# Allegro board RK3588_Template_LP4XD200P232SD10_32R6X52R0_2133MHz_H0R80_V10_20230220.brd (continued)
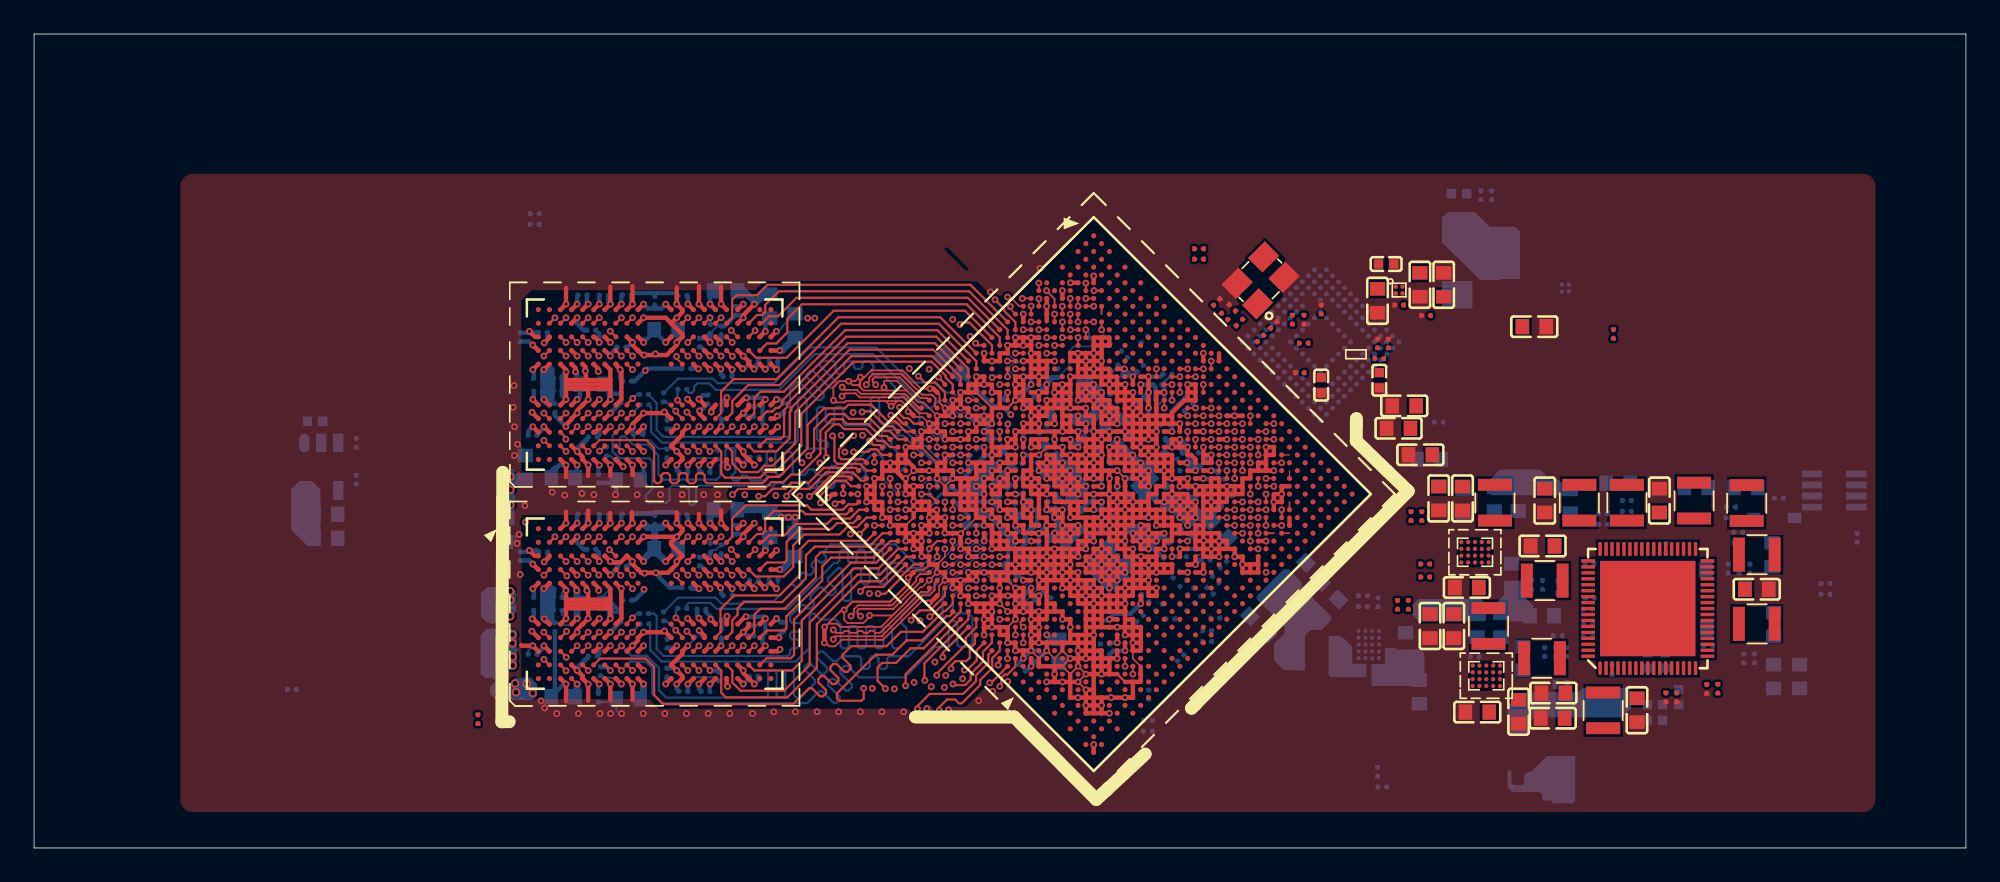
[diagram p0: board, top side]
## Footprints (pads in the part's own frame, mm; a bottom-side part is the same pattern mirrored in y, then rotated) (continued)
DFN1006-2L
  rect 0.3x0.55 smd: 1(-0.35,0) 2(0.35,0)
IND_252012
  rect 0.7x2 smd: 1(-1.05,0) 2(1.05,0)
QFN68_7R00X7R00X0R80_T
  oval 0.8x0.2 smd: 1(-3.5,2.8)
  rect 0.8x0.2 smd: 2(-3.5,2.45) 3(-3.5,2.1) 4(-3.5,1.75) 5(-3.5,1.4) 6(-3.5,1.05) 7(-3.5,0.7) 8(-3.5,0.35) 9(-3.5,0) 10(-3.5,-0.35) 11(-3.5,-0.7) 12(-3.5,-1.05) 13(-3.5,-1.4) 14(-3.5,-1.75) 15(-3.5,-2.1) 16(-3.5,-2.45) 17(-3.5,-2.8) 35(3.5,-2.8) 36(3.5,-2.45) 37(3.5,-2.1) 38(3.5,-1.75) 39(3.5,-1.4) 40(3.5,-1.05) 41(3.5,-0.7) 42(3.5,-0.35) 43(3.5,0) 44(3.5,0.35) 45(3.5,0.7) 46(3.5,1.05) 47(3.5,1.4) 48(3.5,1.75) 49(3.5,2.1) 50(3.5,2.45) 51(3.5,2.8)
  rect 0.2x0.8 smd: 18(-2.8,-3.5) 19(-2.45,-3.5) 20(-2.1,-3.5) 21(-1.75,-3.5) 22(-1.4,-3.5) 23(-1.05,-3.5) 24(-0.7,-3.5) 25(-0.35,-3.5) 26(0,-3.5) 27(0.35,-3.5) 28(0.7,-3.5) 29(1.05,-3.5) 30(1.4,-3.5) 31(1.75,-3.5) 32(2.1,-3.5) 33(2.45,-3.5) 34(2.8,-3.5) 52(2.8,3.5) 53(2.45,3.5) 54(2.1,3.5) 55(1.75,3.5) 56(1.4,3.5) 57(1.05,3.5) 58(0.7,3.5) 59(0.35,3.5) 60(0,3.5) 61(-0.35,3.5) 62(-0.7,3.5) 63(-1.05,3.5) 64(-1.4,3.5) 65(-1.75,3.5) 66(-2.1,3.5) 67(-2.45,3.5) 68(-2.8,3.5)
  rect 5.6x5.6 smd: 69(0,0)
R0201
  custom 0.294x0.3 smd: 1(-0.25,0) 2(0.25,0)
SMAF
  rect 1.6x1.8 smd: 1(1.9,0) 2(-1.9,0)
SOD323
  rect 0.8x0.6 smd: 1(-1.2,0) 2(1.2,0)
SOT_23_5
  oval 1.1x0.6 smd: 1(0,0)
  rect 1.1x0.6 smd: 2(0,-1) 3(0,-2) 4(2.8,-2) 5(2.8,0)
SOT_23_8
  rect 0.4x1.2 smd: 1(-0.975,-1.3) 2(-0.325,-1.3) 3(0.325,-1.3) 4(0.975,-1.3) 5(0.975,1.3) 6(0.325,1.3) 7(-0.325,1.3) 8(-0.975,1.3)
WLCSP
  round 0.26 smd: A1(-0.2,0.2) A2(0.2,0.2) B1(-0.2,-0.2) B2(0.2,-0.2)
WLCSP20_1R65X2R05X0R63
  round 0.25 smd: A1(-0.6,0.8) A2(-0.2,0.8) A3(0.2,0.8) A4(0.6,0.8) B1(-0.6,0.4) B2(-0.2,0.4) B3(0.2,0.4) B4(0.6,0.4) C1(-0.6,0) C2(-0.2,0) C3(0.2,0) C4(0.6,0) D1(-0.6,-0.4) D2(-0.2,-0.4) D3(0.2,-0.4) D4(0.6,-0.4) E1(-0.6,-0.8) E2(-0.2,-0.8) E3(0.2,-0.8) E4(0.6,-0.8)

## Nets
GND: C1200.2 C1201.2 C1202.2 C1203.2 C1204.2 C1205.2 C1206.2 C1207.2 C1208.2 C1209.2 C1210.2 C1211.2 C1212.2 C1213.2 C1214.2 C1215.2 C1216.2 C1217.2 C1218.2 C1219.2 C1220.2 C1221.2 C1223.2 C1224.2 C1225.2 C1226.2 C1227.2 C1228.2 C1229.2 C1231.2 C1232.2 C3800.2 C3801.2 C3802.2 C3803.2 C3804.2 C3805.2 C3806.2 C3807.2 C3808.2 C3809.2 C3810.2 C3811.2 C3812.2 C3813.2 C3814.2 C3815.2 C3816.2 C3817.2 C3818.2 C3819.2 C3820.2 C3821.2 C3822.2 C3823.2 C3824.2 C3825.2 C3826.2 C3827.2 C3828.2 C3829.2 C3830.2 C3831.2 C3832.2 C3833.2 C3834.2 C3835.2 C3836.2 C3837.2 C3838.2 C3839.2 C3840.2 C3841.2 C3842.2 C3844.2 C3845.2 C3846.2 C3847.2 C3848.2 C3849.2 C3850.2 C3851.2 C3852.2 C3853.2 C3854.2 C3855.2 C3856.2 C3857.2 C3858.2 C3859.2 C3860.2 C3861.2 C3862.2 C3863.2 C3864.2 C3865.2 C3866.2 C3867.2 C3868.2 C3869.2 C3870.2 C3871.2 C3872.2 C3873.2 C3874.2 C3875.2 C3876.2 C3877.2 C3878.2 C3879.2 C3880.2 C3881.2 C3882.2 C3883.2 C3884.2 C3885.2 C3886.2 C3887.2 C3888.2 C3889.2 C3890.2 C3891.2 C3892.2 C3893.2 C3894.2 C3895.2 C3896.2 C3897.2 C3898.2 C3899.2 C3900.2 C3901.2 C3902.2 C3903.2 C3904.2 C3905.2 C3906.2 C3907.2 C3908.2 C3909.2 C3910.2 C3911.2 C3912.2 C3913.2 C3914.2 C3915.2 C3916.2 C3917.2 C3918.2 C3919.2 C3920.2 C3921.2 C3922.2 C3923.2 C3924.2 C3925.2 C3926.2 C3927.2 C3928.2 C3929.2 C3930.2 C3931.2 C3932.2 C3933.2 C3934.2 C3935.2 C3936.2 C3937.2 C3938.2 C3939.2 C3940.2 C3941.2 C3942.2 C3943.2 C3944.2 C3945.2 C3946.2 C3947.2 C3948.2 C3949.2 C3950.2 C3951.2 C3952.2 C3953.2 C3954.2 C3955.2 C3956.2 C3957.2 C3958.2 C3959.2 C3960.2 C3961.2 C3962.2 C3963.2 C3964.2 C3965.2 C3966.2 C3967.2 C3968.2 C3969.2 C3970.2 C3971.2 C3972.2 C3973.2 C3974.2 C3975.2 C3976.2 C3977.2 C3978.2 C3979.2 C3980.2 C3981.2 C3983.2 C3984.2 C3985.2 C3986.2 C3987.2 C3988.2 C3989.2 C3990.2 C3991.2 C3992.2 C3993.2 C3994.2 C3995.2 C3996.2 C3997.2 C3998.2 C3999.2 C4000.2 C4001.2 C4002.2 C4003.2 C4004.2 C4005.2 C4006.2 C4007.2 C4008.2 C4034.2 C4035.2 C4036.2 C4040.2 C4042.2 C4045.2 C4046.2 C4047.2 C4055.2 C4056.2 C4057.2 C4058.2 C4066.2 C4067.2 C4068.2 C4069.2 C4075.2 C4076.2 C4077.2 C4078.2 C4081.2 C4082.2 C4083.2 C4084.2 C4085.2 C4086.2 C4087.2 C4088.2 C4089.2 C4090.2 C4091.2 C4092.2 C4093.2 C4094.2 C4095.2 C4096.2 C4097.2 C4098.2 C4099.2 C4100.2 C4101.2 C4102.2 C4103.2 C4104.2 C4109.2 C4110.2 C4115.2 C4116.2 C4119.2 C4120.2 C4121.2 C4123.2 C4124.2 C4126.2 C4130.2 C4131.2 C4132.2 C4133.2 C4134.2 C4135.2 C4141.2 C4142.2 C4143.2 C4144.2 C4145.2 C4147.2 C4148.2 C4149.2 C4150.2 C4289.2 D1.1(ANODE) ED4.2 R3833.2 R3834.2 R3835.2 R3844.2 R3883.2 R3886.2 R3888.2 R3893.1 R3897.2 R3902.2 R3905.2 R3906.2 R3908.2 U27.5(GND) U1000.A1(VSS_1) U1000.A11(VSS_2) U1000.A14(VSS_3) U1000.A34(VSS_4) U1000.AA3(VSS_248) U1000.AA6(VSS_249) U1000.AA8(AVSS_15) U1000.AA10(AVSS_16) U1000.AA11(VSS_250) U1000.AA16(VSS_251) U1000.AA17(VSS_252) U1000.AA18(VSS_253) U1000.AA19(VSS_254) U1000.AA20(VSS_255) U1000.AA21(VSS_256) U1000.AA22(VSS_257) U1000.AA23(VSS_258) U1000.AA24(VSS_259) U1000.AA31(VSS_260) U1000.AB3(VSS_261) U1000.AB5(VSS_262) U1000.AB6(AVSS_17) U1000.AB7(AVSS_18) U1000.AB8(AVSS_19) U1000.AB10(AVSS_20) U1000.AB11(VSS_263) U1000.AB16(VSS_264) U1000.AB17(VSS_265) U1000.AB18(VSS_266) U1000.AB19(VSS_267) U1000.AB20(VSS_268) U1000.AB24(VSS_269) U1000.AB27(VSS_270) U1000.AB29(VSS_271) U1000.AB32(VSS_272) U1000.AC3(VSS_273) U1000.AC4(VSS_274) U1000.AC5(AVSS_21) U1000.AC8(AVSS_22) U1000.AC10(AVSS_23) U1000.AC11(VSS_275) U1000.AC12(VSS_276) U1000.AC16(VSS_277) U1000.AC20(VSS_278) U1000.AC21(VSS_279) U1000.AC24(VSS_280) U1000.AC27(VSS_281) U1000.AD5(AVSS_24) U1000.AD8(AVSS_25) U1000.AD10(AVSS_26) U1000.AD11(VSS_282) U1000.AD12(VSS_283) U1000.AD16(VSS_284) U1000.AD20(VSS_285) U1000.AD21(VSS_286) U1000.AD24(VSS_287) U1000.AD25(VSS_288) U1000.AD26(VSS_289) U1000.AE3(VSS_290) U1000.AE6(AVSS_27) U1000.AE7(AVSS_28) U1000.AE9(AVSS_29) U1000.AE11(VSS_291) U1000.AE12(VSS_292) U1000.AE13(VSS_293) U1000.AE14(VSS_294) U1000.AE15(VSS_295) U1000.AE16(VSS_296) U1000.AE18(VSS_297) U1000.AE19(VSS_298) U1000.AE20(VSS_299) U1000.AE21(VSS_300) U1000.AE24(VSS_301) U1000.AE26(VSS_302) U1000.AF4(AVSS_30) U1000.AF7(AVSS_31) U1000.AF8(AVSS_32) U1000.AF11(AVSS_33) U1000.AF12(AVSS_34) U1000.AF13(AVSS_35) U1000.AF14(AVSS_36) U1000.AF15(AVSS_37) U1000.AF16(AVSS_38) U1000.AF21(AVSS_39) U1000.AF22(VSS_303) U1000.AF24(VSS_304) U1000.AF25(VSS_305) U1000.AF27(VSS_306) U1000.AF28(VSS_307) U1000.AF29(VSS_308) U1000.AF30(VSS_309) U1000.AF31(VSS_310) U1000.AF32(VSS_311) U1000.AG3(AVSS_40) U1000.AG6(AVSS_41) U1000.AG7(AVSS_42) U1000.AG10(AVSS_43) U1000.AG12(AVSS_44) U1000.AG15(AVSS_45) U1000.AG18(AVSS_46) U1000.AG21(AVSS_47) U1000.AG22(AVSS_48) U1000.AG30(VSS_312) U1000.AH4(AVSS_49) U1000.AH8(AVSS_50) U1000.AH11(AVSS_51) U1000.AH12(AVSS_52) U1000.AH15(AVSS_53) U1000.AH21(AVSS_54) U1000.AH22(AVSS_55) U1000.AH23(AVSS_56) U1000.AJ3(AVSS_57) U1000.AJ7(AVSS_58) U1000.AJ8(AVSS_59) U1000.AJ9(AVSS_60) U1000.AJ11(AVSS_61) U1000.AJ12(AVSS_62) U1000.AJ15(AVSS_63) U1000.AJ16(AVSS_64) U1000.AJ18(AVSS_65) U1000.AJ21(AVSS_66) U1000.AJ22(AVSS_67) U1000.AJ23(AVSS_68) U1000.AJ30(VSS_313) U1000.AK4(AVSS_69) U1000.AK5(AVSS_70) U1000.AK7(AVSS_71) U1000.AK10(AVSS_72) U1000.AK11(AVSS_73) U1000.AK12(AVSS_74) U1000.AK13(AVSS_75) U1000.AK14(AVSS_76) U1000.AK23(AVSS_77) U1000.AK28(VSS_314) U1000.AK29(VSS_315) U1000.AL3(AVSS_78) U1000.AL4(AVSS_79) U1000.AL5(AVSS_80) U1000.AL11(AVSS_81) U1000.AL13(AVSS_82) U1000.AL23(AVSS_83) U1000.AL25(VSS_316) U1000.AM4(AVSS_84) U1000.AM8(AVSS_85) U1000.AM9(AVSS_86) U1000.AM18(AVSS_87) U1000.AM20(AVSS_88) U1000.AM22(AVSS_89) U1000.AM23(AVSS_90) U1000.AM24(AVSS_91) U1000.AM26(AVSS_92) U1000.AM28(AVSS_93) U1000.AM30(VSS_317) U1000.AN7(AVSS_94) U1000.AN12(AVSS_95) U1000.AN23(AVSS_96) U1000.AN31(AVSS_97) U1000.AP1(AVSS_98) U1000.AP17(AVSS_99) U1000.AP23(AVSS_100) U1000.AP34(AVSS_101) U1000.B6(VSS_5) U1000.B19(VSS_6) U1000.B24(VSS_7) U1000.B27(VSS_8) U1000.B33(VSS_9) U1000.C3(VSS_10) U1000.C4(VSS_11) U1000.C5(VSS_12) U1000.C6(VSS_13) U1000.C7(VSS_14) U1000.C8(VSS_15) U1000.C9(VSS_16) U1000.C10(VSS_17) U1000.C11(VSS_18) U1000.C12(VSS_19) U1000.C13(VSS_20) U1000.C14(VSS_21) U1000.C15(VSS_22) U1000.C16(VSS_23) U1000.C17(VSS_24) U1000.C18(VSS_25) U1000.C20(VSS_26) U1000.C21(VSS_27) U1000.C22(VSS_28) U1000.C23(VSS_29) U1000.C26(VSS_30) U1000.C28(VSS_31) U1000.C30(VSS_32) U1000.C32(VSS_33) U1000.D3(VSS_34) U1000.D23(VSS_35) U1000.D24(VSS_36) U1000.D31(VSS_37) U1000.E3(VSS_38) U1000.E6(VSS_39) U1000.E8(VSS_40) U1000.E12(VSS_41) U1000.E18(VSS_42) U1000.E20(VSS_43) U1000.E22(VSS_44) U1000.E23(VSS_45) U1000.E32(VSS_46) U1000.F3(VSS_47) U1000.F7(VSS_48) U1000.F9(VSS_49) U1000.F10(VSS_50) U1000.F11(VSS_51) U1000.F13(VSS_52) U1000.F14(VSS_53) U1000.F15(VSS_54) U1000.F16(VSS_55) U1000.F19(VSS_56) U1000.F20(VSS_57) U1000.F21(VSS_58) U1000.F22(VSS_59) U1000.F23(VSS_60) U1000.F31(VSS_61) U1000.G3(VSS_62) U1000.G6(VSS_63) U1000.G10(VSS_64) U1000.G15(VSS_65) U1000.G19(VSS_66) U1000.G21(VSS_67) U1000.G22(VSS_68) U1000.G25(VSS_69) U1000.G32(VSS_70) U1000.H3(VSS_71) U1000.H6(VSS_72) U1000.H10(VSS_73) U1000.H12(VSS_74) U1000.H14(VSS_75) U1000.H19(VSS_76) U1000.H22(VSS_77) U1000.H25(VSS_78) U1000.H26(VSS_79) U1000.H28(AVSS_1) U1000.H31(AVSS_2) U1000.J3(VSS_80) U1000.J4(VSS_81) U1000.J5(VSS_82) U1000.J6(VSS_83) U1000.J10(VSS_84) U1000.J11(VSS_85) U1000.J12(VSS_86) U1000.J13(VSS_87) U1000.J14(VSS_88) U1000.J15(VSS_89) U1000.J16(VSS_90) U1000.J18(VSS_91) U1000.J19(VSS_92) U1000.J20(VSS_93) U1000.J21(VSS_94) U1000.J22(VSS_95) U1000.J23(VSS_96) U1000.J24(VSS_97) U1000.J25(VSS_98) U1000.J27(AVSS_3) U1000.J28(AVSS_4) U1000.J29(AVSS_5) U1000.J32(AVSS_6) U1000.K3(VSS_99) U1000.K6(VSS_100) U1000.K8(VSS_101) U1000.K9(VSS_102) U1000.K18(VSS_103) U1000.K21(VSS_104) U1000.K22(VSS_105) U1000.K26(AVSS_7) U1000.K31(AVSS_8) U1000.K32(AVSS_9) U1000.L1(VSS_106) U1000.L3(VSS_107) U1000.L6(VSS_108) U1000.L9(VSS_109) U1000.L16(DDR_CH1_PLL_AVSS) U1000.L19(VSS_110) U1000.L20(VSS_111) U1000.L21(VSS_112) U1000.L22(VSS_113) U1000.L25(VSS_114) U1000.L26(AVSS_10) U1000.L31(AVSS_11) U1000.M3(VSS_115) U1000.M6(VSS_116) U1000.M9(VSS_117) U1000.M11(DDR_CH0_PLL_AVSS) U1000.M14(VSS_118) U1000.M15(VSS_119) U1000.M18(VSS_120) U1000.M20(VSS_121) U1000.M22(VSS_122) U1000.M25(VSS_123) U1000.M26(AVSS_12) U1000.M29(TVSS) U1000.M32(AVSS_13) U1000.N3(VSS_124) U1000.N6(VSS_125) U1000.N9(VSS_126) U1000.N11(VSS_127) U1000.N14(VSS_128) U1000.N15(VSS_129) U1000.N18(VSS_130) U1000.N20(VSS_131) U1000.N22(VSS_132) U1000.N25(VSS_133) U1000.N26(VSS_134) U1000.N29(VSS_135) U1000.N32(AVSS_14) U1000.P1(VSS_136) U1000.P3(VSS_137) U1000.P6(VSS_138) U1000.P8(VSS_139) U1000.P9(VSS_140) U1000.P11(VSS_141) U1000.P14(VSS_142) U1000.P15(VSS_143) U1000.P18(VSS_144) U1000.P19(VSS_145) U1000.P20(VSS_146) U1000.P21(VSS_147) U1000.P22(VSS_148) U1000.P25(VSS_149) U1000.P26(VSS_150) U1000.P34(VSS_151) U1000.R3(VSS_152) U1000.R5(VSS_153) U1000.R8(VSS_154) U1000.R9(VSS_155) U1000.R11(VSS_156) U1000.R13(VSS_157) U1000.R15(VSS_158) U1000.R18(VSS_159) U1000.R19(VSS_160) U1000.R20(VSS_161) U1000.R21(VSS_162) U1000.R22(VSS_163) U1000.R23(VSS_164) U1000.R24(VSS_165) U1000.R25(VSS_166) U1000.R26(VSS_167) U1000.R28(VSS_168) U1000.R33(VSS_169) U1000.T3(VSS_170) U1000.T6(VSS_171) U1000.T9(VSS_172) U1000.T11(VSS_173) U1000.T13(VSS_174) U1000.T15(VSS_175) U1000.T18(VSS_176) U1000.T19(VSS_177) U1000.T20(VSS_178) U1000.T23(VSS_179) U1000.T24(VSS_180) U1000.T25(VSS_181) U1000.T26(VSS_182) U1000.T27(VSS_183) U1000.T33(VSS_184) U1000.U3(VSS_185) U1000.U12(VSS_186) U1000.U13(VSS_187) U1000.U15(VSS_188) U1000.U16(VSS_189) U1000.U17(VSS_190) U1000.U19(PLL_AVSS) U1000.U20(VSS_191) U1000.U23(VSS_192) U1000.U24(VSS_193) U1000.U30(VSS_194) U1000.U31(VSS_195) U1000.U34(VSS_196) U1000.V3(VSS_197) U1000.V4(VSS_198) U1000.V5(VSS_199) U1000.V8(VSS_200) U1000.V9(VSS_201) U1000.V10(VSS_202) U1000.V11(VSS_203) U1000.V15(VSS_204) U1000.V18(VSS_205) U1000.V19(VSS_206) U1000.V23(VSS_207) U1000.V24(VSS_208) U1000.V25(VSS_209) U1000.V27(VSS_210) U1000.V30(VSS_211) U1000.W2(VSS_212) U1000.W3(VSS_213) U1000.W6(VSS_214) U1000.W7(VSS_215) U1000.W9(VSS_216) U1000.W10(VSS_217) U1000.W11(VSS_218) U1000.W12(VSS_219) U1000.W15(VSS_220) U1000.W16(VSS_221) U1000.W17(VSS_222) U1000.W18(VSS_223) U1000.W19(VSS_224) U1000.W20(VSS_225) U1000.W23(VSS_226) U1000.W24(VSS_227) U1000.W27(VSS_228) U1000.Y3(VSS_229) U1000.Y5(VSS_230) U1000.Y6(VSS_231) U1000.Y8(VSS_232) U1000.Y9(VSS_233) U1000.Y10(VSS_234) U1000.Y11(VSS_235) U1000.Y12(VSS_236) U1000.Y13(VSS_237) U1000.Y14(VSS_238) U1000.Y15(VSS_239) U1000.Y16(VSS_240) U1000.Y17(VSS_241) U1000.Y18(VSS_242) U1000.Y19(VSS_243) U1000.Y20(VSS_244) U1000.Y23(VSS_245) U1000.Y24(VSS_246) U1000.Y28(VSS_247) U3800.A3(VSS_1) U3800.A10(VSS_2) U3800.AB3(VSS_55) U3800.AB5(VSS_56) U3800.AB8(VSS_57) U3800.AB10(VSS_58) U3800.C1(VSS_3) U3800.C5(VSS_4) U3800.C8(VSS_5) U3800.C12(VSS_6) U3800.D2(VSS_7) U3800.D4(VSS_8) U3800.D9(VSS_9) U3800.D11(VSS_10) U3800.E1(VSS_11) U3800.E5(VSS_12) U3800.E8(VSS_13) U3800.E12(VSS_14) U3800.G1(VSS_15) U3800.G3(VSS_16) U3800.G5(VSS_17) U3800.G8(VSS_18) U3800.G10(VSS_19) U3800.G12(VSS_20) U3800.J1(VSS_21) U3800.J3(VSS_22) U3800.J10(VSS_23) U3800.J12(VSS_24) U3800.K2(VSS_25) U3800.K4(VSS_26) U3800.K9(VSS_27) U3800.K11(VSS_28) U3800.N2(VSS_29) U3800.N4(VSS_30) U3800.N9(VSS_31) U3800.N11(VSS_32) U3800.P1(VSS_33) U3800.P3(VSS_34) U3800.P10(VSS_35) U3800.P12(VSS_36) U3800.T1(VSS_37) U3800.T3(VSS_38) U3800.T5(VSS_39) U3800.T8(VSS_40) U3800.T10(VSS_41) U3800.T12(VSS_42) U3800.V1(VSS_43) U3800.V5(VSS_44) U3800.V8(VSS_45) U3800.V12(VSS_46) U3800.W2(VSS_47) U3800.W4(VSS_48) U3800.W9(VSS_49) U3800.W11(VSS_50) U3800.Y1(VSS_51) U3800.Y5(VSS_52) U3800.Y8(VSS_53) U3800.Y12(VSS_54) U3801.A3(VSS_1) U3801.A10(VSS_2) U3801.AB3(VSS_55) U3801.AB5(VSS_56) U3801.AB8(VSS_57) U3801.AB10(VSS_58) U3801.C1(VSS_3) U3801.C5(VSS_4) U3801.C8(VSS_5) U3801.C12(VSS_6) U3801.D2(VSS_7) U3801.D4(VSS_8) U3801.D9(VSS_9) U3801.D11(VSS_10) U3801.E1(VSS_11) U3801.E5(VSS_12) U3801.E8(VSS_13) U3801.E12(VSS_14) U3801.G1(VSS_15) U3801.G3(VSS_16) U3801.G5(VSS_17) U3801.G8(VSS_18) U3801.G10(VSS_19) U3801.G12(VSS_20) U3801.J1(VSS_21) U3801.J3(VSS_22) U3801.J10(VSS_23) U3801.J12(VSS_24) U3801.K2(VSS_25) U3801.K4(VSS_26) U3801.K9(VSS_27) U3801.K11(VSS_28) U3801.N2(VSS_29) U3801.N4(VSS_30) U3801.N9(VSS_31) U3801.N11(VSS_32) U3801.P1(VSS_33) U3801.P3(VSS_34) U3801.P10(VSS_35) U3801.P12(VSS_36) U3801.T1(VSS_37) U3801.T3(VSS_38) U3801.T5(VSS_39) U3801.T8(VSS_40) U3801.T10(VSS_41) U3801.T12(VSS_42) U3801.V1(VSS_43) U3801.V5(VSS_44) U3801.V8(VSS_45) U3801.V12(VSS_46) U3801.W2(VSS_47) U3801.W4(VSS_48) U3801.W9(VSS_49) U3801.W11(VSS_50) U3801.Y1(VSS_51) U3801.Y5(VSS_52) U3801.Y8(VSS_53) U3801.Y12(VSS_54) U3807.69(EPAD) U3808.B2(GND1) U3808.B3(GND2) U3808.B4(AGND) U3808.C1(GND3) U3808.C2(GND4) U3808.C3(GND5) U3808.C4(GND6) U3809.B2(GND1) U3809.B3(GND2) U3809.B4(AGND) U3809.C1(GND3) U3809.C2(GND4) U3809.C3(GND5) U3809.C4(GND6) U3810.B2(GND1) U3810.B3(GND2) U3810.B4(AGND) U3810.C1(GND3) U3810.C2(GND4) U3810.C3(GND5) U3810.C4(GND6) U3813.2(GND) U3815.A6(VSS2) U3815.C4(VSS3) U3815.E7(VSS4) U3815.G5(VSS5) U3815.H10(VSS6) U3815.J5(VSS1) U3815.K8(VSSQ1) U3815.N2(VSSQ2) U3815.N5(VSSQ3) U3815.P4(VSSQ4) U3815.P6(VSSQ5) U3837.B1(GND) U3838.B1(GND) Y1.2(GND#2) Y1.4(GND#4)
VBUS5V0_TYPEC: R3892.1
VCC5V0_EXT: C4135.1 U3813.1(VOUT)
VCC_1V8_S0: C3971.1 C3972.1 C3986.1 C3987.1 C3995.1 C3996.1 C3999.1 C4001.1 C4004.1 C4006.1 C4007.1 C4008.1 C4083.1 R3839.1 R3840.1 R3841.1 R3842.1 R3845.1 R3846.1 R3847.1 R3848.1 R3849.1 R3850.1 R3851.1 R3852.1 R3908.1 U1000.AA7(VCCIO2_1V8) U1000.AA26(MIPI_CSI1_AVCC1V8) U1000.AB26(MIPI_CSI0_AVCC1V8) U1000.AC25(VCCIO6_1V8) U1000.AJ19(MIPI_D/C_PHY1_VDD_1V8) U1000.AJ20(MIPI_D/C_PHY0_VDD_1V8) U1000.G20(VCCIO1_1V8) U1000.H20(VCCIO4_1V8) U1000.H21(VCCIO4) U1000.W25(VCCIO5_1V8) U1000.W26(VCCIO5) U1000.Y7(VCCIO2) U1000.Y26(VCCIO3_1V8) U3807.58(PLDO2) U3838.B2(ON)
VCC_1V8_S3: C3800.1 C3801.1 C3802.1 C3803.1 C3804.1 C3805.1 C3806.1 C3807.1 C3808.1 C3845.1 C3846.1 C3847.1 C3848.1 C3849.1 C3850.1 C3851.1 C3852.1 C3853.1 C3964.1 C3968.1 C3969.1 C3970.1 C4078.1 C4141.1 C4142.1 C4143.1 C4144.1 C4145.1 L11.1 R3825.1 R3826.1 R3827.1 R3828.1 R3890.1 R3891.1 R3917.1 R3918.1 U27.4(OE) U27.8(VCCA) U1000.N28(PMUIO1_1V8) U1000.P28(PMUIO2) U1000.R27(PMUIO2_1V8) U1000.V26(EMMCIO_1V8) U3800.F1(VDD1_1) U3800.F12(VDD1_2) U3800.G4(VDD1_3) U3800.G9(VDD1_4) U3800.T4(VDD1_5) U3800.T9(VDD1_6) U3800.U1(VDD1_7) U3800.U12(VDD1_8) U3801.F1(VDD1_1) U3801.F12(VDD1_2) U3801.G4(VDD1_3) U3801.G9(VDD1_4) U3801.T4(VDD1_5) U3801.T9(VDD1_6) U3801.U1(VDD1_7) U3801.U12(VDD1_8) U3807.25(VOUT10) U3815.C6(VCCQ1) U3815.M4(VCCQ2) U3815.N4(VCCQ3) U3815.P3(VCCQ4) U3815.P5(VCCQ5)
VCC_1V8_S3_PLDO6: C4086.1 U3807.20(VCCIO)
VCC_2V0_PLDO_S3: C4081.1 C4084.1 C4092.1 C4099.1 L12.2 U3807.9(VCC14) U3807.13(VCC13) U3807.41(VOUT7) U3807.59(VCC11)
VCC_3V3_S0: C4005.1 C4132.1 U1000.AC26(VCCIO6) U3838.A1(VOUT)
VCC_3V3_S3: C4069.1 C4131.1 C4147.1 C4148.1 C4149.1 L9.1 R3896.1 U27.1(VCCB) U3807.5(VOUT8) U3815.E6(VCC1) U3815.F5(VCC2) U3815.J10(VCC3) U3815.K9(VCC4) U3838.A2(VIN)
VCC_5V0: C4122.1 C4123.1 C4124.1 C4133.1 C4134.1 D2.2(K) R3899.1 U3813.5(IN)
VCC_5V0_PWREN_H: U1000.AE30(GPIO2_C5_D) U3837.B2(ON)
VCC_SYSIN: C4034.1 C4035.1 C4040.1 C4046.1 C4056.1 C4057.1 C4067.1 C4068.1 C4076.1 C4077.1 C4088.1 C4090.1 C4101.1 C4102.1 C4103.1 C4104.1 C4120.1 C4121.1 ED4.1 U3807.1(VCC9) U3807.7(VCC8) U3807.21(VCCA) U3807.22(VCC4) U3807.27(VCC10) U3807.28(VCC6) U3807.33(VCC2_1) U3807.34(VCC2_2) U3807.43(VCC7) U3807.44(VCC5) U3807.52(VCC1_1) U3807.53(VCC1_2) U3807.54(VCC3) U3807.64(VCC12) U3808.D1(VIN_1) U3808.D2(VIN_2) U3808.E1(VIN_3) U3808.E2(VIN_4) U3809.D1(VIN_1) U3809.D2(VIN_2) U3809.E1(VIN_3) U3809.E2(VIN_4) U3810.D1(VIN_1) U3810.D2(VIN_2) U3810.E1(VIN_3) U3810.E2(VIN_4) U3837.A2(VIN)
VCCA_1V8_S0: C1214.1 C1217.1 C3960.1 C3961.1 C3965.1 C3975.1 C3976.1 C3978.1 C3984.1 C4003.1 C4082.1 R3836.2 R3837.1 R3843.1 R3987.2 R3988.2 U1000.AG11(USB20_AVDD_1V8) U1000.AG14(TYPEC0_DP0_VDDH_1V8) U1000.AH18(SARADC_AVDD_1V8) U1000.K16(DDR_CH1_PLL_AVDD1V8) U1000.L27(PCIE20_SATA30_1_AVDD_1V8) U1000.M12(DDR_CH0_PLL_AVDD1V8) U1000.N27(OSC_1V8) U1000.U18(PLL_AVDD1V8) U3807.60(PLDO1)
VCCA_3V3_S0: C3979.1 C4087.1 U1000.AJ10(USB20_AVDD_3V3) U3807.63(PLDO4)
VCCIO_SD_S0: C4089.1 U3807.65(PLDO5)
VDD2_DDR_S3: C1216.1 C1219.1 C3809.1 C3810.1 C3811.1 C3812.1 C3813.1 C3814.1 C3815.1 C3816.1 C3817.1 C3818.1 C3819.1 C3820.1 C3821.1 C3822.1 C3823.1 C3854.1 C3855.1 C3856.1 C3857.1 C3858.1 C3859.1 C3860.1 C3861.1 C3862.1 C3863.1 C3864.1 C3865.1 C3866.1 C3867.1 C3868.1 C4047.1 C4050.1 L5.1 R3806.1 R3807.2 R3811.2 R3816.1 R3817.2 R3881.1 U1000.H13(DDR_CH1_VDDQ_CKE) U1000.N8(DDR_CH0_VDDQ_CKE) U3800.A4(VDD2_1) U3800.A9(VDD2_2) U3800.AB4(VDD2_23) U3800.AB9(VDD2_24) U3800.F5(VDD2_3) U3800.F8(VDD2_4) U3800.H1(VDD2_5) U3800.H5(VDD2_6) U3800.H8(VDD2_7) U3800.H12(VDD2_8) U3800.K1(VDD2_9) U3800.K3(VDD2_10) U3800.K10(VDD2_11) U3800.K12(VDD2_12) U3800.N1(VDD2_13) U3800.N3(VDD2_14) U3800.N10(VDD2_15) U3800.N12(VDD2_16) U3800.R1(VDD2_17) U3800.R5(VDD2_18) U3800.R8(VDD2_19) U3800.R12(VDD2_20) U3800.U5(VDD2_21) U3800.U8(VDD2_22) U3801.A4(VDD2_1) U3801.A9(VDD2_2) U3801.AB4(VDD2_23) U3801.AB9(VDD2_24) U3801.F5(VDD2_3) U3801.F8(VDD2_4) U3801.H1(VDD2_5) U3801.H5(VDD2_6) U3801.H8(VDD2_7) U3801.H12(VDD2_8) U3801.K1(VDD2_9) U3801.K3(VDD2_10) U3801.K10(VDD2_11) U3801.K12(VDD2_12) U3801.N1(VDD2_13) U3801.N3(VDD2_14) U3801.N10(VDD2_15) U3801.N12(VDD2_16) U3801.R1(VDD2_17) U3801.R5(VDD2_18) U3801.R8(VDD2_19) U3801.R12(VDD2_20) U3801.U5(VDD2_21) U3801.U8(VDD2_22) U3807.30(VOUT6)
VDD_0V75_S0: C3962.1 C3963.1 C3985.1 C3990.1 C3991.1 C3992.1 C3997.1 C3998.1 C4000.1 C4100.1 U1000.AA25(MIPI_CSI1_AVCC0V75) U1000.AB25(MIPI_CSI0_AVCC0V75) U1000.AD3(OTP_VDDOTP_0V75) U1000.AG19(MIPI_D/C_PHY1_VDD) U1000.AG20(MIPI_D/C_PHY0_VDD) U1000.V20(PLL_DVDD0V75) U3807.8(NLDO5)
VDD_0V75_S3: C3966.1 C3967.1 C4091.1 U1000.P27(PMU_0V75) U3807.14(NLDO1)
VDD_CPU_BIG0_S0: C3898.1 C3899.1 C3900.1 C3901.1 C3902.1 C3903.1 C3904.1 C3905.1 C3906.1 C3908.1 C3909.1 C4105.1 C4105.2 C4109.1 C4110.1 L13.2 R3894.1 R3894.2 U1000.M16(VDD_CPU_BIG0_0) U1000.M17(VDD_CPU_BIG0_9) U1000.M19(VDD_CPU_BIG0_MEM_0) U1000.N16(VDD_CPU_BIG0_1) U1000.N17(VDD_CPU_BIG0_8) U1000.N19(VDD_CPU_BIG0_MEM_1) U1000.P16(VDD_CPU_BIG0_2) U1000.P17(VDD_CPU_BIG0_7) U1000.R16(VDD_CPU_BIG0_3) U1000.R17(VDD_CPU_BIG0_6) U1000.T16(VDD_CPU_BIG0_4) U1000.T17(VDD_CPU_BIG0_5) U3808.A4(VOUT)
VDD_CPU_BIG1_S0: C3910.1 C3911.1 C3912.1 C3913.1 C3914.1 C3915.1 C3916.1 C3917.1 C3918.1 C3919.1 C3931.1 C3932.1 C4111.1 C4111.2 C4115.1 C4116.1 L14.2 R3895.1 R3895.2 U1000.K23(VDD_CPU_BIG1_9) U1000.K24(VDD_CPU_BIG1_0) U1000.L23(VDD_CPU_BIG1_8) U1000.L24(VDD_CPU_BIG1_1) U1000.M21(VDD_CPU_BIG1_MEM_0) U1000.M23(VDD_CPU_BIG1_7) U1000.M24(VDD_CPU_BIG1_2) U1000.N21(VDD_CPU_BIG1_MEM_1) U1000.N23(VDD_CPU_BIG1_6) U1000.N24(VDD_CPU_BIG1_3) U1000.P23(VDD_CPU_BIG1_5) U1000.P24(VDD_CPU_BIG1_4) U3809.A4(VOUT)
VDD_CPU_LIT_S0: C3939.1 C3940.1 C3941.1 C3942.1 C3943.1 C3944.1 C3945.1 C3953.1 C3954.1 C4051.1 C4051.2 C4055.1 L6.2 R3882.1 R3882.2 U1000.T21(VDD_CPU_LIT_MEM_1) U1000.T22(VDD_CPU_LIT_MEM_0) U1000.U21(VDD_CPU_LIT_7) U1000.U22(VDD_CPU_LIT_0) U1000.V21(VDD_CPU_LIT_6) U1000.V22(VDD_CPU_LIT_1) U1000.W21(VDD_CPU_LIT_5) U1000.W22(VDD_CPU_LIT_2) U1000.Y21(VDD_CPU_LIT_4) U1000.Y22(VDD_CPU_LIT_3) U3807.37(VOUT2)
VDD_DDR_S0: C1220.1 C1221.1 C1223.1 C1224.1 C1225.1 C1226.1 C1227.1 C1228.1 C1229.1 C1231.1 C4036.1 C4039.1 C4039.2 L3.1 R3879.1 R3879.2 U1000.L11(DDR_CH1_VDD_0) U1000.L12(DDR_CH1_VDD_1) U1000.L13(DDR_CH1_VDD_2) U1000.L14(DDR_CH1_VDD_3) U1000.L17(DDR_CH1_VDD_MIF_0) U1000.L18(DDR_CH1_VDD_MIF_1) U1000.N13(DDR_CH0_VDD_MIF_0) U1000.P12(DDR_CH0_VDD_3) U1000.P13(DDR_CH0_VDD_MIF_1) U1000.R12(DDR_CH0_VDD_2) U1000.T12(DDR_CH0_VDD_1) U1000.U11(DDR_CH0_VDD_0) U3807.46(VOUT5)
VDD_GPU_S0: C3889.1 C3890.1 C3891.1 C3892.1 C3893.1 C3894.1 C3895.1 C3896.1 C3897.1 C3907.1 C4041.1 C4041.2 C4042.1 C4045.1 L4.2 R3880.1 R3880.2 U1000.AA12(VDD_GPU_MEM_0) U1000.AA13(VDD_GPU_0) U1000.AA14(VDD_GPU_7) U1000.AA15(VDD_GPU_11) U1000.AB12(VDD_GPU_MEM_1) U1000.AB13(VDD_GPU_1) U1000.AB14(VDD_GPU_6) U1000.AB15(VDD_GPU_10) U1000.AC13(VDD_GPU_2) U1000.AC14(VDD_GPU_5) U1000.AC15(VDD_GPU_9) U1000.AD13(VDD_GPU_3) U1000.AD14(VDD_GPU_4) U1000.AD15(VDD_GPU_8) U3807.49(VOUT1)
VDD_LOG_S0: C3920.1 C3921.1 C3922.1 C3923.1 C3924.1 C3925.1 C3926.1 C3927.1 C3928.1 C4062.1 C4062.2 C4066.1 L8.2 R3885.1 R3885.2 U1000.AC17(VDD_LOGIC_5) U1000.AC18(VDD_LOGIC_4) U1000.AC19(VDD_LOGIC_3) U1000.AD17(VDD_LOGIC_0) U1000.AD18(VDD_LOGIC_1) U1000.AD19(VDD_LOGIC_2) U1000.K19(VDD_LOGIC_8) U1000.K20(VDD_LOGIC_9) U1000.V16(VDD_LOGIC_6) U1000.V17(VDD_LOGIC_7) U3807.56(VOUT3)
VDD_NPU_S0: C3946.1 C3947.1 C3948.1 C3949.1 C3950.1 C3951.1 C3952.1 C3955.1 C3956.1 C4125.1 C4125.2 C4126.1 C4130.1 L16.2 R3900.1 R3900.2 U1000.AB21(VDD_NPU_6) U1000.AB22(VDD_NPU_5) U1000.AB23(VDD_NPU_2) U1000.AC22(VDD_NPU_4) U1000.AC23(VDD_NPU_1) U1000.AD22(VDD_NPU_3) U1000.AD23(VDD_NPU_0) U1000.AE22(VDD_NPU_MEM_0) U1000.AE23(VDD_NPU_MEM_1) U3810.A4(VOUT)
VDD_VDENC_S0: C3929.1 C3930.1 C3933.1 C3934.1 C3935.1 C3936.1 C3937.1 C3938.1 C4071.1 C4071.2 C4075.1 R3887.1 R3887.2 U1000.R14(VDD_VDENC_0) U1000.T14(VDD_VDENC_1) U1000.U14(VDD_VDENC_2) U1000.V12(VDD_VDENC_MEM_0) U1000.V13(VDD_VDENC_MEM_1) U1000.V14(VDD_VDENC_3) U1000.W13(VDD_VDENC_5) U1000.W14(VDD_VDENC_4) U3807.24(VOUT4)
VDDA_0V75_S0: C3977.1 C4096.1 U1000.AH10(USB20_DVDD_0V75) U3807.11(NLDO3)
VDDA_0V85_S0: C3973.1 C3974.1 C4002.1 C4098.1 U1000.AH14(TYPEC0_DP0_VDDA_0V85) U1000.AJ14(TYPEC0_DP0_VDD_0V85) U1000.L28(PCIE20_SATA30_1_AVDD_0V85) U3807.10(NLDO4)
VDDA_1V2_S0: C3993.1 C3994.1 C4085.1 U1000.AH19(MIPI_D/C_PHY1_VDD_1V2) U1000.AH20(MIPI_D/C_PHY0_VDD_1V2) U3807.57(PLDO3)
VDDA_DDR_PLL_S0: C1215.1 C1218.1 C4093.1 U1000.L15(DDR_CH1_PLL_DVDD) U1000.N12(DDR_CH0_PLL_DVDD) U3807.12(NLDO2)
VDDQ_DDR: C3824.1 C3825.1 C3826.1 C3827.1 C3828.1 C3829.1 C3830.1 C3831.1 C3832.1 C3833.1 C3834.1 C3835.1 C3836.1 C3837.1 C3838.1 C3839.1 C3840.1 C3841.1 C3842.1 C3869.1 C3870.1 C3871.1 C3872.1 C3873.1 C3874.1 C3875.1 C3876.1 C3877.1 C3878.1 C3879.1 C3880.1 C3881.1 C3882.1 C3883.1 C3884.1 C3885.1 C3886.1 C3887.1 R3808.1 R3809.1 R3810.1 R3811.1 R3818.1 R3819.1 U3800.AA3(VDDQ_17) U3800.AA5(VDDQ_18) U3800.AA8(VDDQ_19) U3800.AA10(VDDQ_20) U3800.B3(VDDQ_1) U3800.B5(VDDQ_2) U3800.B8(VDDQ_3) U3800.B10(VDDQ_4) U3800.D1(VDDQ_5) U3800.D5(VDDQ_6) U3800.D8(VDDQ_7) U3800.D12(VDDQ_8) U3800.F3(VDDQ_9) U3800.F10(VDDQ_10) U3800.U3(VDDQ_11) U3800.U10(VDDQ_12) U3800.W1(VDDQ_13) U3800.W5(VDDQ_14) U3800.W8(VDDQ_15) U3800.W12(VDDQ_16) U3801.AA3(VDDQ_17) U3801.AA5(VDDQ_18) U3801.AA8(VDDQ_19) U3801.AA10(VDDQ_20) U3801.B3(VDDQ_1) U3801.B5(VDDQ_2) U3801.B8(VDDQ_3) U3801.B10(VDDQ_4) U3801.D1(VDDQ_5) U3801.D5(VDDQ_6) U3801.D8(VDDQ_7) U3801.D12(VDDQ_8) U3801.F3(VDDQ_9) U3801.F10(VDDQ_10) U3801.U3(VDDQ_11) U3801.U10(VDDQ_12) U3801.W1(VDDQ_13) U3801.W5(VDDQ_14) U3801.W8(VDDQ_15) U3801.W12(VDDQ_16)
VDDQ_DDR_S0: C1200.1 C1201.1 C1202.1 C1203.1 C1204.1 C1205.1 C1206.1 C1207.1 C1208.1 C1209.1 C1210.1 C1211.1 C1212.1 C1213.1 C1232.1 C4058.1 C4061.1 L7.1 R1200.2 R1201.2 R1202.2 R1203.2 R3808.2 R3884.1 U1000.K11(DDR_CH1_VDDQ_0) U1000.K12(DDR_CH1_VDDQ_1) U1000.K13(DDR_CH1_VDDQ_2) U1000.K14(DDR_CH1_VDDQ_3) U1000.K15(DDR_CH1_VDDQ_4) U1000.L10(DDR_CH0_VDDQ_CK) U1000.M10(DDR_CH0_VDDQ_0) U1000.M13(DDR_CH1_VDDQ_CK) U1000.N10(DDR_CH0_VDDQ_1) U1000.P10(DDR_CH0_VDDQ_2) U1000.R10(DDR_CH0_VDDQ_3) U1000.T10(DDR_CH0_VDDQ_4) U3807.67(VOUT9)
6DOF_FRAME_SYNC: U1000.AH26(GPIO3_C4_U)
6DOF_LD_RST: U1000.AC28(GPIO3_B3_U)
6DOF_LD_STROBE: U1000.AE28(GPIO3_B2_D)
6DOF_LU_STROBE: U1000.AD29(GPIO3_B5_U)
6DOF_RD_STROBE: U1000.AG29(GPIO3_A7_U)
6DOF_RU_RST: U1000.AH30(GPIO3_A5_D)
6DOF_RU_STROBE: U1000.AD28(GPIO3_A4_D)
6DOF_ULPM_DOWN: U1000.AC29(GPIO3_B4_U)
6DOF_ULPM_UP: U1000.AH27(GPIO3_A6_D)
52832_CTRL: U1000.AF2(GPIO4_D2_U)
52832_INT: U1000.AD1(GPIO4_D1_U)
52832_RST: U1000.AD2(GPIO4_D0_U)
52832_UART_RX: U1000.AE1(GPIO4_D5_D)
52832_UART_TX: U1000.AE2(GPIO4_D4_U)
BIG/NPU_EN: R3896.2 R3897.1 U3808.A2(EN) U3809.A2(EN) U3810.A2(EN)
BOOT_SARADC_IN0: C3980.1 R3843.2 R3844.1 U1000.AM16(SARADC_IN0_BOOT)
BQ_OTG_EN_H: U1000.AK27(GPIO4_A5_D)
BT_REG_ON_H: U1000.T29(GPIO0_C6_U)
BT_WAKE_HOST_H: U1000.P33(GPIO0_A0_D)
CC_INT_L: U1000.U33(GPIO0_D3_U)
CHRG_OK_H: U1000.P31(GPIO0_A4_U)
CONFIRM_C: U1000.AB28(GPIO3_D5_D)
CPU_BIG0_VSEL: U1000.R31(GPIO0_A3_D) U3808.A1(VSEL)
CPU_BIG1_VSEL: U1000.W28(GPIO0_D6_D) U3809.A1(VSEL)
DDR_CH0_A0_A: U1000.T7(DDR_CH0_A0_A) U3800.H2(CA0_A)
DDR_CH0_A0_B: U1000.M8(DDR_CH0_A0_B) U3800.R2(CA0_B)
DDR_CH0_A1_A: U1000.T8(DDR_CH0_A1_A) U3800.J2(CA1_A)
DDR_CH0_A1_B: U1000.M5(DDR_CH0_A1_B) U3800.P2(CA1_B)
DDR_CH0_A2_A: U1000.P4(DDR_CH0_A2_A) U3800.H9(CA2_A)
DDR_CH0_A2_B: U1000.N5(DDR_CH0_A2_B) U3800.R9(CA2_B)
DDR_CH0_A3_A: U1000.P5(DDR_CH0_A3_A) U3800.H10(CA3_A)
DDR_CH0_A3_B: U1000.N4(DDR_CH0_A3_B) U3800.R10(CA3_B)
DDR_CH0_A4_A: U1000.R1(DDR_CH0_A4_A) U3800.H11(CA4_A)
DDR_CH0_A4_B: U1000.K1(DDR_CH0_A4_B) U3800.R11(CA4_B)
DDR_CH0_A5_A: U1000.P2(DDR_CH0_A5_A) U3800.J11(CA5_A)
DDR_CH0_A5_B: U1000.L2(DDR_CH0_A5_B) U3800.P11(CA5_B)
DDR_CH0_CLKN_A: U1000.N1(DDR_CH0_CKB_A) U3800.J9(CK_C_A)
DDR_CH0_CLKN_B: U1000.M1(DDR_CH0_CKB_B) U3800.P9(CK_C_B)
DDR_CH0_CLKP_A: U1000.N2(DDR_CH0_CK_A) U3800.J8(CK_T_A)
DDR_CH0_CLKP_B: U1000.M2(DDR_CH0_CK_B) U3800.P8(CK_T_B)